# KiCad board fmc_usb_gpio_spi_jtag.kicad_pcb (continued)
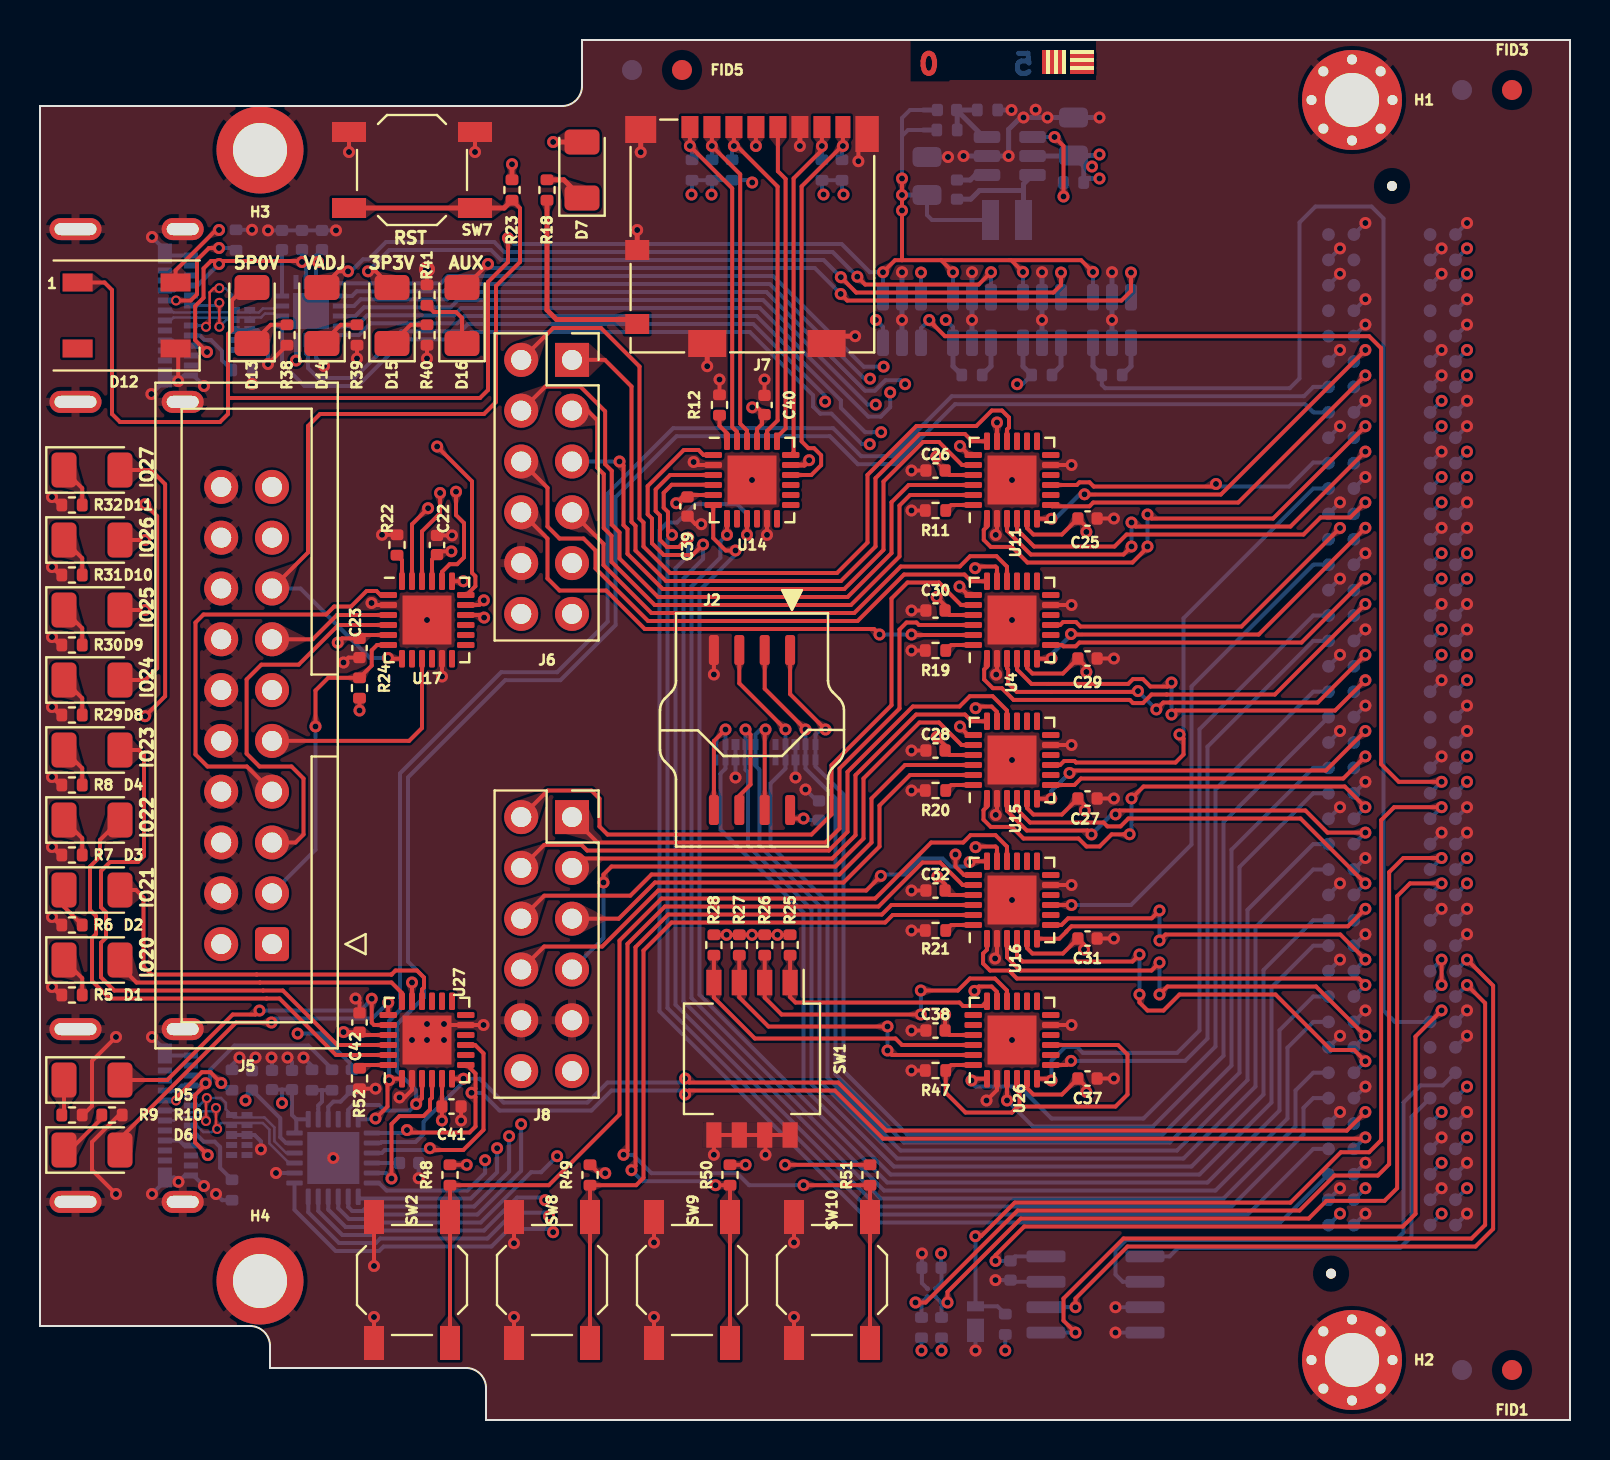
[diagram p0: board, top side]
## Routing (per net, layer and track width the routed paths; a pad name or vN(x,y) marks a point on that pad's centre or on a via; arc(x,y) is an arc through that point) (continued)
/FMC/SPI_FLASH.~{CS}: length 62.2
  Top w0.2: v1(39.28,34.53) 37.51,36.3 J2.1
  Bottom w0.2: v1(39.28,34.53) 39.03,34.53 38.78,34.28 U19.10 U19.1 38.78,32.68 40.18,31.28 40.18,17.46 43.36,14.28 56.13,14.28 59.58,17.72 59.58,28.52 63.66,32.61 64.43,32.61
/FMC/SPI_FLASH.~{HOLD}: length 61
  Top w0.2: J2.7 36.24,34.49 v1(36.28,34.53)
  Bottom w0.2: 64.43,27.53 63.66,27.53 60.78,24.64 60.78,16.68 57.18,13.08 42.86,13.08 38.98,16.96 38.98,25.71 35.97,28.71 35.97,32.53 35.78,32.72 U20.1 U20.10 35.78,34.28 36.03,34.53 v1(36.28,34.53)
/FMC/SPI_FLASH.~{WP}: length 61.7
  Top w0.2: v1(37.28,34.53) 34.97,36.84 J2.3
  Bottom w0.2: 64.43,28.8 63.66,28.8 60.38,25.51 60.38,17 56.85,13.48 43.03,13.48 39.38,17.13 39.38,25.88 36.53,28.73 36.53,31.82 37.28,32.57 U19.4 U19.7 v1(37.28,34.53)
/FMC/UART.RXD: length 89.2
  In3.Cu w0.2: v1(70.08,49.69) 69.55,49.16 62.9,49.16 58.58,44.84 58.58,18.04 55.42,14.88 46.86,14.88 46.66,15.09 25.59,15.09 24.69,14.19 v1(23.46,14.19)
  Bottom w0.2: v1(23.46,14.19) 23.46,12.42 21.71,10.68 16.35,10.68 16.13,10.45 15.61,10.45 15.41,10.65 U3.20 ; 69.51,49.12 v1(70.08,49.69)
/FMC/UART.TXD: length 90.8
  In3.Cu w0.2: v1(70.08,50.96) 69.34,50.22 63.28,50.22 58.18,45.11 58.18,18.51 54.95,15.28 47.03,15.28 46.82,15.49 25.42,15.49 24.72,14.79 v1(24.06,14.79)
  Bottom w0.2: U3.21 14.91,10.58 15.45,10.05 16.29,10.05 16.52,10.28 21.87,10.28 24.06,12.46 v1(24.06,14.79) ; 69.51,50.39 v1(70.08,50.96)
/FMC/UART.~{CTS}: length 85.1
  In3.Cu w0.2: v1(22.26,12.99) 24.62,12.99 25.92,14.29 46.14,14.29 46.35,14.08 56.31,14.08 59.38,17.15 59.38,44.21 60.36,45.19 69.39,45.19 v1(70.08,45.88)
  Bottom w0.2: U3.18 16.95,11.85 17.33,11.48 21.38,11.48 22.26,12.36 v1(22.26,12.99) ; 69.51,45.31 v1(70.08,45.88)
/FMC/UART.~{DCD}: length 84.6
  In3.Cu w0.2: v1(70.08,39.53) 69.45,38.9 61.37,38.9 60.58,38.11 60.58,16.08 57.37,12.88 46.35,12.88 44.21,10.74 26.01,10.74 v1(25.46,10.19)
  Bottom w0.2: U3.24 13.41,10.39 14.95,8.85 16.79,8.85 17.01,9.08 22.38,9.08 23.67,10.37 25.28,10.37 v1(25.46,10.19) ; 69.51,38.96 v1(70.08,39.53)
/FMC/UART.~{DSR}: length 86.4
  In3.Cu w0.2: v1(70.08,43.34) 69.39,42.65 60.43,42.65 59.77,42 59.77,16.8 56.66,13.68 46.16,13.68 45.96,13.89 26.55,13.89 v1(25.86,13.19)
  Bottom w0.2: U3.22 14.41,10.52 15.28,9.65 16.46,9.65 16.68,9.88 22.04,9.88 24.55,12.39 25.06,12.39 v1(25.86,13.19) ; 69.51,42.77 v1(70.08,43.34)
/FMC/UART.~{DTR}: length 86.2
  In3.Cu w0.2: v1(25.26,10.99) 25.41,11.14 44.01,11.14 46.16,13.28 57.02,13.28 60.17,16.43 60.17,40.81 60.76,41.4 69.41,41.4 v1(70.08,42.07)
  Bottom w0.2: 69.51,41.5 v1(70.08,42.07) ; U3.23 13.91,10.45 15.12,9.25 16.62,9.25 16.85,9.48 22.2,9.48 23.85,11.12 25.12,11.12 v1(25.26,10.99)
/FMC/UART.~{RI}: length 85.4
  In3.Cu w0.2: v1(70.08,38.26) 69.44,37.62 61.79,37.62 60.97,36.81 60.97,15.68 57.78,12.48 46.56,12.48 44.42,10.34 26.55,10.34 25.66,9.45 v1(25.66,9.39) 25.6,9.39 25.64,9.43
  Bottom w0.2: U3.1 12.73,10.51 14.78,8.45 16.95,8.45 17.18,8.68 22.58,8.68 23.45,9.55 25.54,9.55 25.66,9.44 ; 69.51,37.69 v1(70.08,38.26)
/FMC/UART.~{RTS}: length 86.6
  In3.Cu w0.2: v1(70.08,47.15) 69.52,46.59 61.06,46.59 58.98,44.51 58.98,17.56 55.9,14.48 46.7,14.48 46.49,14.69 25.75,14.69 24.66,13.59 v1(22.86,13.59)
  Bottom w0.2: v1(22.86,13.59) 22.86,12.39 21.54,11.08 16,11.08 U3.19 ; 69.51,46.58 v1(70.08,47.15)
/FMC/USB_FS.CON: length 70.7
  In2.Cu w0.2: v1(71.35,42.07) 70.73,42.69 68.37,42.69 67.86,43.2 67.86,49.59 67.13,50.32 64.33,50.32 61.86,52.79 45.74,52.79 42.34,49.39 v1(42.06,49.39)
  Bottom w0.2: v1(42.06,49.39) 41.26,49.39 40.04,50.6 40.04,50.98 35.82,55.2 21.23,55.2 20.86,54.84 16.53,54.84 15.94,54.25 14.3,54.25 U2.5 ; 70.78,41.5 v1(71.35,42.07)
/FMC/USB_FS.DET: length 67.6
  In2.Cu w0.2: v1(71.35,43.34) 70.7,43.99 68.86,43.99 68.26,44.59 68.26,50.29 66.96,51.59 63.63,51.59 62.03,53.19 42.7,53.19 v1(42.18,52.67)
  Bottom w0.2: v1(42.18,52.67) 41.18,52.67 36.65,57.2 20.4,57.2 20.04,56.84 14.36,56.84 U2.16 ; 70.78,42.77 v1(71.35,43.34)
/FMC/USB_FS.RCV: length 76.6
  In2.Cu w0.2: v1(71.35,36.99) 70.7,37.64 67.61,37.64 67.06,38.19 67.06,42.19 66.56,42.69 47.56,42.69 46.81,43.43 41.47,43.43 40.89,44.01 40.89,49.22 41.66,49.99 42.37,49.99 43.26,50.87 v1(43.26,51.79)
  Bottom w0.2: U2.2 15.7,55.7 16.04,56.04 20.37,56.04 20.73,56.4 36.32,56.4 41.25,51.47 41.75,51.47 42.27,51.99 43.06,51.99 v1(43.26,51.79) ; 70.78,36.42 v1(71.35,36.99)
/FMC/USB_FS.SPD: length 83.7
  In2.Cu w0.2: v1(71.35,28.1) 70.73,28.72 65.96,28.72 65.44,28.19 56.02,28.19 55.62,28.59 48.42,28.59 47.22,29.79 42.62,29.79 40.86,31.56 40.86,35.99 39.66,37.19 39.66,50.22 v1(41.5,52.07)
  Bottom w0.2: 70.78,27.53 v1(71.35,28.1) ; v1(41.5,52.07) 41.5,52.07 41.22,52.07 36.49,56.8 20.57,56.8 20.2,56.44 15.84,56.44 15.6,56.2 U2.1
/FMC/USB_FS.SUS: length 84
  In2.Cu w0.2: v1(71.35,26.83) 70.73,27.46 65.79,27.46 65.46,27.79 55.86,27.79 55.46,28.19 48.26,28.19 47.06,29.39 42.46,29.39 40.46,31.39 40.46,35.79 39.26,36.99 v1(39.26,50.92)
  Bottom w0.2: v1(39.26,50.92) 39.26,51.2 35.66,54.8 21.39,54.8 21.03,54.44 18.06,54.44 15.72,52.1 13.9,52.1 13.4,52.6 13.4,53.22 13.3,53.32 U2.7 ; 70.78,26.26 v1(71.35,26.83)
/FMC/USB_FS.VM: length 81.1
  In2.Cu w0.2: v1(71.35,31.91) 70.72,32.54 65.91,32.54 65.46,32.99 53.46,32.99 50.26,36.19 47.16,36.19 47.16,36.19 41.22,36.19 40.06,37.36 40.06,49.99 41.44,51.37 42.5,51.37 v1(42.51,51.38)
  Bottom w0.2: U2.4 15.83,54.7 16.37,55.24 20.7,55.24 21.06,55.6 35.99,55.6 41.42,50.17 42.04,50.17 42.51,50.64 v1(42.51,51.38) ; 70.78,31.34 v1(71.35,31.91)
/FMC/USB_FS.VP: length 76.9
  In2.Cu w0.2: v1(71.35,33.18) 70.74,33.79 65.86,33.79 65.46,33.39 53.62,33.39 50.42,36.59 47.33,36.59 47.33,36.59 41.45,36.59 40.46,37.59 40.46,49.44 v1(41.79,50.77)
  Bottom w0.2: 70.78,32.61 v1(71.35,33.18) ; U2.3 15.76,55.2 16.2,55.64 20.53,55.64 20.9,56 36.15,56 41.38,50.77 v1(41.79,50.77)
/FMC/USB_FS.~{OE}: length 78.8
  In2.Cu w0.2: v1(71.35,38.26) 70.72,38.89 67.96,38.89 67.46,39.39 67.46,48.39 66.79,49.06 64.39,49.06 61.06,52.39 45.9,52.39 42.3,48.79 v1(41.49,48.79)
  Bottom w0.2: U2.9 12.1,52.82 13.22,51.7 15.89,51.7 18.22,54.04 21.19,54.04 21.56,54.4 35.49,54.4 38.66,51.24 38.66,50.67 39.01,50.32 39.57,50.32 41.1,48.79 v1(41.49,48.79) ; 70.78,37.69 v1(71.35,38.26)
/FMC/WS2812: length 49.5
  Top w0.2: v1(70.08,31.91) 67.94,31.91 67.06,32.79 67.06,53.59 66.46,54.19 45.25,54.19 44.69,54.75 44.69,54.76 44.46,54.99 v1(44.46,55)
  Bottom w0.2: U21.4 44.05,54.59 v1(44.46,55) ; 69.51,31.34 v1(70.08,31.91)
/GPIO/HVGPIO0: length 35.2
  Top w0.2: U11.18 46.6,48.94 46.6,48.95 46.25,49.3 43.98,49.3 41.78,47.09 41.78,43.68 40.05,41.95 31.3,41.95 29.78,43.48 29.78,44.71 29.58,44.91 29.58,51.68 28.25,53.01 J6.1
/GPIO/HVGPIO1: length 42
  Top w0.2: J6.2 25.66,54.6 28.05,54.6 29.98,52.68 29.98,45.08 30.18,44.88 30.18,43.68 31.5,42.35 39.85,42.35 41.38,43.88 41.38,47.25 43.82,49.7 46.81,49.7 47.59,50.48 48.1,50.48 48.45,50.12 48.45,49.63 48.35,49.53 U11.16
/GPIO/HVGPIO2: length 31.6
  Top w0.2: U11.23 43.5,46.25 42.98,45.72 42.98,43.18 40.55,40.75 30.73,40.75 28.58,42.91 28.58,44.21 28.19,44.6 28.19,47.29 27.86,47.62 27.86,49.99 27.39,50.47 J6.3
/GPIO/HVGPIO3: length 35.2
  Top w0.2: J6.4 25.27,51.68 27.02,51.68 28.26,50.44 28.26,47.79 28.59,47.46 28.59,44.77 28.98,44.38 28.98,43.08 30.9,41.15 40.38,41.15 42.58,43.34 42.58,45.89 43.44,46.75 U11.22
/GPIO/HVGPIO4: length 30.7
  Top w0.2: U11.20 46.1,47.75 44.95,48.9 44.15,48.9 42.18,46.92 42.18,43.51 40.22,41.55 31.13,41.55 29.38,43.31 29.38,44.54 29.18,44.74 29.18,47.73 v1(28.98,47.93)
  Bottom w0.2: v1(28.98,47.93) J6.5
/GPIO/HVGPIO5: length 29.4
  Top w0.2: J6.6 25.38,46.61 25.38,44.68 25.98,44.08 27.18,44.08 27.78,43.48 27.78,42.58 30.4,39.95 40.88,39.95 43.2,42.28 46.22,42.28 46.56,41.94 U4.18
/GPIO/HVGPIO6: length 26.6
  Top w0.2: U4.16 48.35,42.67 47.82,43.19 46.51,43.19 45.99,42.68 43.04,42.68 40.71,40.35 30.57,40.35 28.18,42.74 28.18,43.81 J6.7
/GPIO/HVGPIO7: length 26.3
  Top w0.2: v1(41.98,39.28) 41.7,39.55 30.24,39.55 28.31,41.48 25.98,41.48 25.38,42.08 25.38,44.07 J6.8 ; v1(43.58,39.28) 43.6,39.25 U4.23
  Bottom w0.2: v1(43.58,39.28) v1(41.98,39.28)
/GPIO/HVGPIO8: length 29.3
  Top w0.2: J8.1 27.87,28.88 39.28,28.88 39.98,29.57 39.98,32.57 42.98,35.57 42.98,39.52 43.33,39.88 43.82,39.88 43.95,39.75 U4.22
/GPIO/HVGPIO9: length 35.2
  Top w0.2: J8.2 25.39,31.48 27.57,31.48 27.98,31.07 27.98,29.68 28.38,29.28 38.58,29.28 39.58,30.28 39.58,32.74 42.58,35.74 42.58,41.08 43.38,41.88 44.95,41.88 45.38,41.45 45.38,41.43 46.05,40.75 U4.20
/GPIO/HVGPIO10: length 25.8
  Top w0.2: J8.3 27.07,28.08 39.61,28.08 40.78,29.24 40.78,32.24 43.81,35.28 46.25,35.28 46.59,34.94 U15.18
/GPIO/HVGPIO11: length 30.7
  Top w0.2: J8.4 25.21,28.76 27.08,28.76 27.36,28.48 39.44,28.48 40.38,29.41 40.38,32.41 43.64,35.68 45.98,35.68 46.49,36.19 47.63,36.19 48.35,35.47 U15.16
/GPIO/HVGPIO12: length 24.2
  Top w0.2: J8.5 28.94,25.07 30.75,26.88 40.18,26.88 41.98,28.68 41.98,30.72 43.5,32.25 U15.23
/GPIO/HVGPIO13: length 27.1
  Top w0.2: J8.6 25.21,26.22 29.52,26.22 30.58,27.28 39.98,27.28 41.58,28.88 41.58,31.08 43.25,32.75 U15.22
/GPIO/HVGPIO14: length 29.3
  Top w0.2: U15.20 46.08,33.75 44.95,34.88 43.98,34.88 41.18,32.08 41.18,29.08 39.78,27.68 28.58,27.68 28.18,27.28 v1(28.18,26.88)
  Bottom w0.2: v1(28.18,26.88) 28.18,24.1 J8.7
/GPIO/HVGPIO15: length 25.9
  Top w0.2: v1(46.48,27.9) 46.52,27.94 U16.18 ; v1(42.04,27.21) 41.31,26.48 30.91,26.48 28.11,23.68 25.21,23.68 J8.8
  Bottom w0.2: v1(42.04,27.21) 42.11,27.28 43.24,27.28 44.04,28.08 45.13,28.08 45.53,27.68 46.26,27.68 v1(46.48,27.9)
/GPIO/HVGPIO16: length 49.1
  Top w0.2: SW2.2 SW2.2 R48.1 25.44,11.74 28.98,15.27 28.98,23.97 31.08,26.08 41.76,26.08 44.56,28.88 46.16,28.88 46.53,29.24 47.77,29.24 48.35,28.67 U16.16
/GPIO/HVGPIO17: length 39.3
  Top w0.2: SW8.2 SW8.2 R49.1 29.81,11.74 30.18,12.11 30.18,23.48 31.58,24.88 42.26,24.88 42.63,25.25 U16.23
/GPIO/HVGPIO18: length 42.2
  Top w0.2: R50.1 SW9.2 SW9.2 ; U16.22 42.57,25.75 42.09,25.28 31.41,25.28 29.78,23.64 29.78,12.69 v1(29.58,12.49) ; v1(33.78,11.74) 34.6,11.74
  Bottom w0.2: v1(29.58,12.49) 30.13,11.94 33.58,11.94 v1(33.78,11.74)
/GPIO/HVGPIO19: length 50.8
  Top w0.2: 41.35,11.74 v1(38.18,11.74) ; SW10.2 SW10.2 R51.1 ; v1(29.18,13.26) 29.38,13.46 29.38,23.81 31.24,25.68 41.93,25.68 44.13,27.88 45.01,27.88 46.13,26.75 U16.20
  Bottom w0.2: v1(38.18,11.74) 35.45,11.74 34.85,12.34 30.57,12.34 29.65,13.26 v1(29.18,13.26)
/GPIO/HVGPIO24: length 55.4
  Top w0.2: D8.2 5.27,37 5.86,37.59 5.86,45.19 v1(5.26,45.79) ; v1(46,48.7) 46.45,48.25 U11.19
  In3.Cu w0.2: v1(46,48.7) 45.6,49.1 43.54,49.1 42.63,48.19 39.41,48.19 38.41,49.19 23.46,49.19 22.26,47.99 5.86,47.99 5.26,47.39 v1(5.26,45.79)
/GPIO/HVGPIO25: length 46.3
  Top w0.2: U15.19 46.4,34.25 45.98,34.68 ; D9.2 v1(5.26,40.5)
  In3.Cu w0.2: v1(5.26,40.5) 5.26,38.79 6.3,37.74 12.9,37.74 13.86,36.79 18.86,36.79 19.71,35.93 44.74,35.93 v1(46,34.68)
/GPIO/HVGPIO26: length 44.6
  Top w0.2: U4.19 46.4,41.25 v1(45.98,41.68) ; D10.2 v1(5.26,44)
  In3.Cu w0.2: v1(5.26,44) 5.26,43.39 5.86,42.79 22.26,42.79 23.46,41.59 43.86,41.59 44.35,42.08 45.57,42.08 v1(45.98,41.68)
/GPIO/HVGPIO27: length 60.4
  Top w0.2: v1(5.26,35.19) 6.26,36.19 6.26,46.79 5.55,47.5 D11.2 ; v1(45.78,28.28) 45.78,27.68 46.2,27.25 U16.19
  In3.Cu w0.2: v1(45.78,28.28) 32.57,28.28 28.15,32.69 6.35,32.69 5.26,33.79 v1(5.26,35.19)
/GPIO/HVGPIO28: length 12.2
  Top w0.2: U26.18 47.11,20.7 46.15,20.7 45.98,20.88 37.78,20.88 37.51,21.15 SW1.1 R25.1
/GPIO/HVGPIO29: length 16.8
  Top w0.2: v1(44.04,20.27) 44.04,20.28 37.08,20.28 36.24,21.12 SW1.2 R26.1 ; v1(44.04,21.47) 45.89,21.47 46.49,22.07 47.75,22.07 48.35,21.47 U26.16
  Bottom w0.2: v1(44.04,21.47) v1(44.04,20.27)
/GPIO/HVGPIO30: length 15.7
  Top w0.2: R27.1 SW1.3 34.97,21.13 36.42,19.68 v1(42.38,19.68) ; U26.23 42.6,18.25 v1(42.38,18.48)
  Bottom w0.2: v1(42.38,18.48) v1(42.38,19.68)
/GPIO/HVGPIO31: length 16.1
  Top w0.2: U26.22 43.1,18.75 42.78,19.08 35.74,19.08 33.7,21.12 SW1.4 R28.1
/JTAG/TCK: length 11.2
  Top w0.2: U17.9 19.1,34.6 18.46,33.96 J5.9
/JTAG/TDI: length 19.8
  Top w0.2: J5.5 12.78,28.88 13.18,29.28 13.18,32.08 12.58,32.68 10.98,32.68 10.33,33.32 10.33,37.03 11.07,37.77 12.93,37.77 14.92,39.75 U17.4
/JTAG/TDO: length 6.3
  Top w0.2: J5.13 13.64,39.04 14.85,40.25 U17.3
/JTAG/TMS: length 21.6
  Top w0.2: U17.1 17.02,41.25 16.83,41.45 16.33,41.45 15.55,40.67 14.71,40.67 14.31,40.28 8.18,40.28 7.78,39.88 7.78,33.28 8.38,32.68 10.34,32.68 11.6,31.42 J5.7
/JTAG/~{SRST}: length 45.8
  Top w0.2: U17.7 17.44,38.06 v1(17.4,38.1) ; J5.15 13.4,43.38 13.4,49.7 14,50.3 22.2,50.3 22.8,50.9 22.8,56.7 24,57.9 24,60.59 R23.2
  Top w0.25: R23.2 23.21,60.6 SW7.2 SW7.2
  Bottom w0.2: v1(17.4,38.1) 16.5,38.1 13.03,41.58 J5.15
/JTAG/~{TRST}: length 16.1
  Top w0.2: U17.6 16.85,38.75 16.59,38.48 16.59,37.72 R24.2 14.41,37.11 13.78,36.48 v1(13.78,34.68)
  Bottom w0.2: v1(13.78,34.68) 13.78,28.51 J5.3
/SDIO/SD_CLK: length 16.1
  Top w0.2: U14.19 36.85,49.15 37.28,49.58 37.28,62.05 36.9,62.44 J7.5
/SDIO/SD_CMD: length 17.7
  Top w0.2: U14.20 36.35,49.45 36.88,49.98 36.88,61.67 34.85,63.7 v1(34.7,63.7) J7.3
  Bottom w0.2: v1(34.7,63.7) 34.6,63.61 R17.1
/SDIO/SD_DAT0: length 17.7
  Top w0.2: J7.7 v1(39.1,63.7) 39.1,63.5 37.68,62.08 37.68,48.39 U14.18
  Bottom w0.2: v1(39.1,63.7) 39.1,63.7 R13.1
/SDIO/SD_DAT1: length 20.7
  Top w0.2: J7.8 v1(40.15,63.7) ; U14.16 38.56,47.25 39.06,47.74 39.06,48.24 38.7,48.59 38.42,48.59 38.08,48.93 38.08,61.68 40.1,63.7
  Bottom w0.2: R14.1 40.1,63.66 v1(40.15,63.7)
/SDIO/SD_DAT2: length 17.4
  Top w0.2: U14.23 34.85,49.41 34.61,49.65 34.61,61.59 v1(32.5,63.7) J7.1
  Bottom w0.2: v1(32.5,63.7) 32.6,63.6 R15.1
/SDIO/SD_DAT3: length 17.1
  Top w0.2: U14.22 35.35,49.47 35.01,49.81 35.01,62.29 v1(33.6,63.7) J7.2
  Bottom w0.2: v1(33.6,63.7) 33.6,63.7 R16.1
/UART/D+: length 10.5
  Top w0.127: v3(8.86,14.55) 8.8,14.61 v3(8.8,15.6)
  Bottom w0.127: v3(8.8,15.6) 8.63,15.43 8.1,15.43 8.05,15.38 6.86,15.38 6.77,15.48 J4.B6 ; J4.A6 7.84,14.73 8.17,14.4 8.6,14.4 9.05,14.85 11.14,14.85 11.47,14.52 11.47,13.83 12.45,12.85 U3.3
/UART/D-: length 10.3
  Top w0.127: v3(8.34,16.1) 8.3,16.06 v3(8.3,14.95)
  Bottom w0.127: v3(8.3,14.95) 8.12,15.13 6.86,15.13 6.71,14.98 J4.B7 ; U12.5 9.29,15.54 9.29,15.86 9.05,16.1 8.34,16.1 v3(8.34,16.1) 7.97,15.73 J4.A7 ; 9.67,15.13 11.22,15.13 11.72,14.63 11.72,13.94 12.31,13.35 U3.4
/UART/HVGPIO20: length 15.4
  Top w0.2: U27.18 18.1,21.35 17.57,21.88 11,21.88 10.99,21.87 4.83,21.87 4,22.7 D1.2
/UART/HVGPIO21: length 20.4
  Top w0.2: U27.16 19.1,21.53 19.2,21.63 19.2,22.12 18.85,22.48 17.78,22.48 17.58,22.28 17.57,22.28 10.83,22.28 10.83,22.27 5.58,22.27 5.18,22.67 5.18,26.13 4.8,26.5 D2.2
/UART/HVGPIO22: length 25.2
  Top w0.2: D3.2 3,29 3,28.17 2.5,27.67 2.5,25.5 2.8,25.2 2.8,24.3 2.6,24.1 2.6,21.95 3.48,21.07 11.33,21.07 11.33,21.08 11.98,21.08 14.8,18.25 U27.23
/UART/HVGPIO23: length 30.1
  Top w0.2: U27.22 14.87,18.75 12.14,21.48 11.16,21.48 11.16,21.47 3.71,21.47 3.05,22.14 3.05,23.86 3.3,24.11 3.3,25.39 3.05,25.64 3.05,27.45 3.5,27.9 4.9,27.9 5.2,28.2 5.2,33.25 4.95,33.5 D4.2
/UART/SUSP: length 7.6
  Top w0.2: U27.4 19.6,16.11 19.5,16.01 19.5,15.52 19.18,15.2 17.97,15.2 17.58,14.8 v1(17.58,12.08)
  Bottom w0.2: v1(17.58,12.08) 17.3,12.35 U3.17
/UART/~{SUSP}: length 11
  Top w0.2: U27.9 21.76,18.75 22.18,18.33 22.18,14.51 21.17,13.5 19.58,13.5 v1(19.5,13.59)
  Bottom w0.2: v1(19.5,13.59) 19.4,13.5 17.24,13.5 17.09,13.35 U3.15
/USB/D+: length 10.8
  Top w0.127: v3(8.97,56.59) 8.69,56.59 8.48,56.38 8.48,54.84 v3(8.3,54.66)
  Bottom w0.127: J3.B6 6.58,55.48 6.67,55.38 10.95,55.38 11.14,55.57 11.73,55.57 11.85,55.7 U2.11 ; J3.A6 8.24,54.73 v3(8.3,54.66) ; U18.5 9.6,55.62 9.6,56.25 9.26,56.59 v3(8.97,56.59)
/USB/D-: length 9.6
  Top w0.127: v3(8.97,54.66) v3(8.97,55.86)
  Bottom w0.127: U18.4 9.31,55 v3(8.97,54.66) ; 8.95,55.86 8.82,55.73 J3.A7 ; J3.B7 6.53,54.98 6.67,55.12 11.05,55.12 11.25,55.32 11.7,55.32 11.82,55.2 U2.10
/USB/USB_VBUS: length 16.9
  Top w0.2: v1(8.35,53.4) 7.76,53.99 7.76,55.69 8.18,56.11 8.18,57.58 8.55,57.95 13.05,57.95
  Bottom w0.2: v1(8.35,53.4) 8.2,53.4 7.93,53.67 7.6,53.67 J3.A4 6.88,53.73 6.63,53.98 J3.B9 ; U2.14 13.3,57.69 13.1,57.89 v1(13.1,57.9) C4.1 ; J3.B4 6.7,56.48 6.95,56.73 J3.A9 7.88,56.73 v1(8.95,57.8)
VADJ: length 317.6
  Top w0.2: v1(38.18,30.08) 37.51,30.08 J2.8 ; U27.5 20.1,15.68 C41.1 v1(20.1,14.98) ; U4.5 49.35,37.59 49.62,37.33 51.15,37.33 C29.1 52.32,37.65 v1(52.32,37.4) ; v1(52.2,23.52) 52.2,23.77 C31.1 51.15,23.33 49.62,23.33 49.35,23.59 U16.5 ; U11.5 49.35,44.59 49.67,44.28 51.1,44.28 C25.1 52.32,44.65 v1(52.32,44.4) ; v1(52.24,30.47) 52.24,30.73 C27.1 51.1,30.28 49.67,30.28 49.35,30.59 U15.5 ; v1(31.81,45.84) 32.13,46.16 C39.1 ; U17.17 21.96,40.75 v1(22.19,40.98) ; U14.5 32.27,46.25 ; U17.21 19.6,43.02 C22.1 20.01,43.43 v1(20.57,43.43) ; v1(52.32,16.4) 52.32,16.65 C37.1 51.1,16.28 49.67,16.28 49.35,16.59 U26.5
  In4.Cu w0.2: 12.8,49.27 7.54,49.27 6.78,48.51 6.78,21.27 7.46,20.59 8.86,20.59 9.38,20.07 9.38,18.47 ; 12.8,49.27 20.97,49.27 21.46,48.79 21.46,43.59 21.3,43.43 v1(20.57,43.43) ; 12.8,49.27 v1(12.8,52.97) 13.9,54.08 13.9,55.07 ; v1(38.18,30.08) 38.17,30.08 31.57,30.08 31,30.65 31,45.78 31.06,45.84 ; 48.18,4.27 48.54,4.27 49.06,4.79 49.06,8.56 ; 48.18,4.27 48.26,4.19 v1(48.26,3.48) ; 48.18,4.27 20.77,4.27 20.1,4.95 v1(20.1,14.98) 19.97,15.1 17.95,15.1 17.37,15.68 16.14,15.68 15.72,15.25 11,15.25 v1(10.28,15.98) 10.28,16.57 9.38,17.47 9.38,18.47 ; 9.38,18.47 9.38,19.28 12.83,19.28 v1(12.88,19.32) ; 13.9,55.07 13.97,55 42.25,55 43.13,55.87 44.6,55.87 45.29,55.19 v1(45.29,55) 45.29,55.3 45.86,55.87 50.38,55.87 52.83,53.42 52.83,44.91 v1(52.32,44.4) 52.32,37.4 v1(52.32,37.4) 52.24,37.33 v1(52.24,30.47) 51.98,30.21 51.98,29.03 52.2,28.8 v1(52.2,23.52) 52.32,23.41 v1(52.32,16.4) ; 13.9,55.07 v1(13.9,57.9) ; v1(45.06,8.33) 45.28,8.56 63.24,8.56 v1(65,10.32) v1(66.27,11.59) 66.26,11.59 ; v1(20.57,43.43) 20.57,41.08 20.66,40.98 v1(22.19,40.98) ; v1(20.57,43.43) 22.7,43.43 23.36,44.09 28.76,44.09 30.5,45.84 31.06,45.84 ; 31.06,45.84 v1(31.81,45.84) ; 44.08,4.27 v1(44.08,3.48) ; v1(45.08,3.48) 45.08,4.27
  Bottom w0.2: v1(38.18,30.08) 38.26,30 C5.1 ; R53.2 v1(48.26,3.48) ; 65.7,11.02 v1(66.27,11.59) ; U22.6 45.65,54.64 v1(45.29,55) ; U21.6 42.15,54.65 v1(41.8,55) ; U2.15 13.8,57.8 v1(13.9,57.9) 13.8,58 13.8,58.22 C2.1 ; U25.B1 45.08,6.87 45.08,7.6 C36.1 v1(45.06,8.33) ; v1(10.28,15.98) 10.28,16.18 C7.1 12.01,15.09 12.01,14.14 12.3,13.85 U3.5 ; R43.1 v1(45.08,3.48) ; R42.1 v1(44.08,3.48) ; R35.2 15.6,17.74 14.02,19.32 v1(12.88,19.32) ; v1(12.8,52.97) U2.8 ; 64.43,9.75 v1(65,10.32)
  Bottom w0.25: U22.6 45.65,52.69 R45.1
Net-(D1-K): length 2.1
  Top w0.2: D1.1 2.11,22.09 R5.1
Net-(D2-K): length 2.1
  Top w0.2: R6.1 1.2,25.66 D2.1
Net-(D3-K): length 2.1
  Top w0.2: D3.1 2.11,29.09 R7.1
Net-(D4-K): length 2.1
  Top w0.2: R8.1 2.11,32.59 D4.1
Net-(D5-A): length 16.4
  Top w0.2: v1(16.59,21.07) 16.59,19.87 16.7,19.75 U27.20 ; D5.2 6.36,17 9.64,20.28 10.78,20.28 v1(10.98,20.47)
  Bottom w0.2: v1(16.59,21.07) 16.59,21.04 16.02,20.48 10.98,20.48 v1(10.98,20.47)
Net-(D5-K): length 1.8
  Top w0.2: D5.1 1.2,15.36 R9.1
Net-(D6-A): length 17.4
  Top w0.2: D6.2 4,14.07 9.8,19.88 v1(11.58,19.88) ; U27.19 17.41,20.84
  Bottom w0.2: v1(17.41,20.88) 16.61,20.08 11.78,20.08 11.58,19.87 v1(11.58,19.88)
Net-(D6-K): length 2.7
  Top w0.2: R10.1 3.09,15.09 1.5,13.5 D6.1
Net-(D7-K): length 2.1
  Top w0.25: R18.2 26.19,62.01 D7.1
Net-(D8-K): length 2.1
  Top w0.2: D8.1 2.11,36.09 R29.1
Net-(D9-K): length 2.1
  Top w0.2: D9.1 2.11,39.59 R30.1
Net-(D10-K): length 2.1
  Top w0.2: R31.1 2.11,43.09 D10.1
Net-(D11-K): length 2.1
  Top w0.2: D11.1 2.11,46.59 R32.1
Net-(D12-DIN): length 40.9
  Top w0.2: 9,59.5 8.8,59.5 6.78,57.48 D12.4
  In2.Cu w0.2: v1(44.05,57.37) 43.23,58.19 23.26,58.19 22.66,58.79 10.46,58.79 9.75,59.5 v1(8.95,59.5)
  Bottom w0.2: U21.3 v1(44.05,57.37)
Net-(D13-K): length 2.1
  Top w0.2: R38.1 11.54,54.76 D13.1
Net-(D14-A): length 36.8
  Top w0.2: v1(15.4,57.43) 14.91,57.43 D14.2 ; v1(47.55,57.39) 46.93,56.77 41.26,56.77 v1(40.87,57.17)
  Bottom w0.2: v1(15.4,57.43) 15.55,57.43 16.15,58.03 16.43,58.03 17.3,58.9 22.71,58.9 23.21,58.4 39.63,58.4 v1(40.87,57.17) ; U22.3 v1(47.55,57.39)
Net-(D14-K): length 2.1
  Top w0.2: R39.1 15.04,54.76 D14.1
Net-(D15-A): length 39.5
  Top w0.2: v1(51.05,57.37) 51.05,56.75 50.67,56.37 40.81,56.37 v1(40.04,57.14) ; D15.2 16.79,57.43 v1(16.4,57.43)
  Bottom w0.2: v1(16.4,57.43) 17.47,58.5 22.55,58.5 23.05,58 39.18,58 v1(40.04,57.14) ; U23.3 v1(51.05,57.37)
Net-(D15-K): length 2.1
  Top w0.2: R40.1 18.54,54.76 D15.1
Net-(D16-A): length 37
  Top w0.2: v1(40.03,56.3) 40.36,55.97 54.07,55.97 54.55,56.45 v1(54.55,57.37) ; v1(22.4,57.8) 21.23,56.63 D16.2
  Bottom w0.2: v1(40.03,56.3) 38.74,57.6 22.6,57.6 v1(22.4,57.8) ; U24.3 v1(54.55,57.37)
Net-(D16-K): length 3.3
  Top w0.2: D16.1 21.1,55.1 20.8,55.4 19.69,55.4 R41.1
Net-(J1B-d30): length 2.9
  Top w0.2: v1(70.08,21.75) v1(70.08,23.02)
  Bottom w0.2: 69.51,22.45 v1(70.08,23.02) ; 69.51,21.18 v1(70.08,21.75)
Net-(J3-CC1): length 3
  Bottom w0.2: J3.A5 8,54.23 8.22,54 8.55,54 9.1,53.45 9.1,52.99 R1.2
Net-(J3-CC2): length 5.1
  Top w0.2: v3(6.8,55.98) 7.53,55.98 7.85,56.29 7.85,58 8.45,58.6 v1(8.95,58.6)
  Bottom w0.2: R2.2 9.69,58.6 v1(8.95,58.6)
Net-(J4-CC1): length 3.6
  Bottom w0.2: R3.2 9.01,12.61 9.01,13.65 8.73,13.92 8.18,13.92 7.87,14.23 J4.A5
Net-(J4-CC2): length 3.8
  Top w0.2: v3(6.8,15.98) 6.8,16.1 8.09,17.39 8.52,17.39 v1(9.06,16.85)
  Bottom w0.2: v1(9.06,16.85) 9.42,16.49 R4.2
Net-(J4-VBUS-PadA4): length 16.6
  Top w0.2: v1(8.39,13.25) 7.75,13.88 7.75,16.24 8.28,16.77
  Bottom w0.2: v1(8.39,13.25) 7.91,13.73 J4.A4 7.22,13.73 6.97,13.98 J4.B9 ; R36.2 14.6,17.55 13.42,18.72 9.72,18.72 8.5,17.5 8.5,16.95 8.28,16.73 J4.A9 7.09,16.73 6.84,16.48 J4.B4
  vias: v1(8.28,16.84)
Net-(J7-DET_A): length 10.3
  Top w0.25: J7.10 29.64,55.03 25.82,55.03 25.35,55.5 R18.1
Net-(U2-VTRM): length 2.3
  Bottom w0.2: U2.12 C3.1
Net-(U3-VBUS): length 2.5
  Bottom w0.2: 14.1,16.49 14.1,15.92 13.91,15.73 U3.8 ; 14.1,16.49 R37.2 ; 14.1,16.49 R36.1
Net-(U3-VPP): length 1.4
  Bottom w0.2: U3.16 C9.1
Net-(U3-~{RST}): length 2.2
  Bottom w0.2: R35.1 15.03,15.92 14.67,15.92 14.41,15.66 U3.9
Net-(U4-SEL): length 1.5
  Top w0.2: R19.2 45.56,38.75 U4.24
Net-(U11-SEL): length 1.5
  Top w0.2: U11.24 45.56,45.75 R11.2
Net-(U13-BST): length 1.6
  Bottom w0.25: U13.1 47.33,62.28 46.79,62.28 46.52,62 C33.2
Net-(U13-EN): length 5
  Top w0.2: v1(50.73,64.15) 51.18,63.7 v1(51.18,61.18)
  Bottom w0.2: U13.4 v1(50.73,64.15) ; v1(51.18,61.18) 51.18,61.87 R54.2
Net-(U13-FB): length 4.1
  Bottom w0.25: U13.3 47.18,64.15 C34.1 ; C34.1 R34.2 ; C34.1 45.86,65.47 R33.1
Net-(U13-SW): length 5.9
  Bottom w0.25: C33.1 46.54,61.04 46.98,61.48 49.18,61.48 ; 49.18,61.48 L1.1 ; 49.18,61.48 49.18,61.8 U13.6
Net-(U14-SEL): length 1.5
  Top w0.2: U14.24 34.35,49.34 33.98,49.72 R12.2
Net-(U15-SEL): length 1.5
  Top w0.2: R20.2 45.56,31.75 U15.24
Net-(U16-SEL): length 1.5
  Top w0.2: R21.2 45.56,24.75 U16.24
Net-(U17-SEL): length 1.4
  Top w0.2: U17.24 18.1,42.99 R22.2
Net-(U22-B): length 1.8
  Bottom w0.25: R45.2 47.55,52.69 U22.4
Net-(U23-B): length 1.8
  Bottom w0.25: R44.2 51.05,52.7 U23.4
Net-(U24-B): length 1.8
  Bottom w0.25: R46.2 54.55,52.69 U24.4
Net-(U26-CLKA): length 20.4
  Top w0.2: U26.4 48.85,16.46 48.98,16.34 48.98,15.75 48.6,15.38 ; U26.9 53.9,18.75 54.38,18.28 54.38,16.28 53.77,15.67 48.9,15.67 48.6,15.38 ; 48.6,15.38 46.28,15.38 45.29,16.37 R47.2 45.56,17.75 U26.24
Net-(U27-SEL): length 1.5
  Top w0.2: R52.2 16.14,17.75 U27.24

## Copper pours and planes (outline as drawn; the poured copper is in the pictures)
GND on Top: 76.5,0 22.31,0 22.31,1.55 22.29,1.78 22.2,2.04 22.08,2.23 21.93,2.38 21.74,2.5 21.48,2.59 21.3,2.6 11.51,2.6 11.51,3.71 11.45,4.03 11.3,4.31 11.07,4.53 10.71,4.69 10.42,4.71 0,4.71 0,65.69 26.13,65.7 26.36,65.73 26.66,65.87 26.88,66.07 26.99,66.24 27.08,66.48 27.1,66.73 27.1,68.99 76.5,69
GND on Top: 33.16,14.89 38.06,14.89 38.04,13.61 33.14,13.61
GND on Bottom: 11.25,9.42 11.25,4.59 -0.18,4.59 -0.18,9.42
GND on Bottom: 11.25,65.8 11.25,60.98 -0.18,60.98 -0.18,65.8
GND on Bottom: 53.43,64.63 51.08,64.63 50.98,64.68 48.73,64.68 48.73,62.88 48.58,62.73 43.78,62.73 43.78,63.68 48.23,63.68 48.23,64.98 47.63,64.98 47.63,65.83 53.43,65.83
GND on Bottom: 76.5,0 22.31,0 22.31,1.55 22.29,1.78 22.2,2.04 22.08,2.23 21.93,2.38 21.74,2.5 21.48,2.59 21.3,2.6 11.51,2.6 11.51,3.71 11.45,4.03 11.3,4.31 11.07,4.53 10.71,4.69 10.42,4.71 0,4.71 0,65.69 26.13,65.7 26.36,65.73 26.66,65.87 26.88,66.07 26.99,66.24 27.08,66.48 27.1,66.73 27.1,68.99 42.4,68.99 42.4,58.6 53.6,58.6 53.6,69 76.5,69
GND on In1.Cu: 76.5,0 22.31,0 22.31,1.55 22.29,1.78 22.2,2.04 22.08,2.23 21.93,2.38 21.74,2.5 21.48,2.59 21.3,2.6 11.51,2.6 11.51,3.71 11.45,4.03 11.3,4.31 11.07,4.53 10.71,4.69 10.42,4.71 0,4.71 0,65.69 26.13,65.7 26.36,65.73 26.66,65.87 26.88,66.07 26.99,66.24 27.08,66.48 27.1,66.73 27.1,68.99 76.5,69
3P3V on In3.Cu: 76.49,0 22.3,0 22.3,1.55 22.28,1.78 22.19,2.04 22.07,2.23 21.92,2.38 21.73,2.5 21.47,2.59 21.29,2.6 11.5,2.6 11.5,3.71 11.44,4.03 11.29,4.31 11.06,4.53 10.7,4.69 10.41,4.71 -0.01,4.71 -0.01,65.69 26.12,65.7 26.35,65.73 26.65,65.87 26.87,66.07 26.98,66.24 27.07,66.48 27.09,66.73 27.09,68.99 76.49,69
3P3V on In4.Cu: 67.26,5.99 67.26,11.94 64.96,11.94 64.41,11.44 20.36,11.44 20.36,16.04 15.76,16.04 15.26,15.54 11.26,15.54 11.26,18.34 14.26,18.34 14.26,21.04 10.26,21.04 10.26,25.04 14.26,25.04 14.26,40.04 21.76,40.04 23.26,41.54 30.16,41.54 30.16,29.04 39.26,29.04 39.26,31.94 34.26,31.94 34.26,53.04 34.66,53.44 45.96,53.44 47.96,55.44 50.26,55.44 50.26,16.04 51.26,15.04 55.26,15.04 56.26,16.04 56.21,57.79 55.01,58.99 22.26,58.94 22.26,59.04 21.26,60.04 21.26,64.99 42.26,64.99 43.26,63.89 43.26,62.99 52.26,62.99 52.26,60.99 71.26,60.99 72.26,59.99 72.26,20.99 71.26,19.99 70.26,19.99 70.26,16.49 70.76,15.99 70.76,14.79 70.26,14.29 70.26,13.39 71.86,13.39 72.26,12.89 72.26,6.99 71.26,5.99
5P0V on Bottom: 45.2,63.98 43.78,63.98 43.38,63.58 43.38,62.08 43.78,61.73 45.08,61.73 45.08,60.88 45.38,60.53 47.13,60.53 47.13,60.98 47.98,60.98 47.98,59.03 44,59.03 42.58,60.35 42.58,65.83 45.2,65.83
12P0V on Bottom: 53.38,61.58 51.73,61.58 51.73,62.38 51.33,62.73 51.21,62.79 48.93,62.78 48.93,63.68 53.38,63.68
12P0V on In4.Cu: 70.86,14.29 71.36,14.79 71.76,14.79 72.06,15.09 72.06,15.69 71.76,15.99 71.26,15.99 70.76,16.49 70.76,16.99 71.16,17.39 71.86,17.39 73.26,18.79 73.26,60.99 72.26,61.99 52.76,61.99 52.76,63.59 53.16,63.99 62.26,63.99 63.26,62.99 64.36,62.99 64.76,62.69 66.56,62.69 66.96,63.09 68.06,63.09 68.86,63.99 72.26,63.99 74.26,61.99 74.26,14.99 72.96,13.69 70.86,13.69
VADJ on In2.Cu: 76.49,0 22.3,0 22.3,1.55 22.28,1.78 22.19,2.04 22.07,2.23 21.92,2.38 21.73,2.5 21.47,2.59 21.29,2.6 11.5,2.6 11.5,3.71 11.44,4.03 11.29,4.31 11.06,4.53 10.7,4.69 10.41,4.71 -0.01,4.71 -0.01,65.69 26.12,65.7 26.35,65.73 26.65,65.87 26.87,66.07 26.98,66.24 27.07,66.48 27.09,66.73 27.09,68.99 76.49,69
VADJ on In4.Cu: 64.96,11.94 67.26,11.94 67.26,5.99 62.26,5.99 62.26,0.99 23.26,0.99 23.26,3.04 22.26,3.99 14.26,3.99 14.26,9.99 1.26,9.99 1.26,60.99 2.26,61.99 7.26,61.99 7.26,60.04 21.26,60.04 22.26,59.04 22.26,58.94 55.01,58.99 56.21,57.79 56.26,16.04 55.26,15.04 51.26,15.04 50.26,16.04 50.26,55.44 47.96,55.44 45.96,53.44 34.66,53.44 34.26,53.04 34.26,31.94 39.26,31.94 39.26,29.04 30.16,29.04 30.16,41.54 23.26,41.54 21.76,40.04 14.26,40.04 14.26,25.04 10.26,25.04 10.26,21.04 14.26,21.04 14.26,18.34 11.26,18.34 11.26,15.54 15.26,15.54 15.76,16.04 20.36,16.04 20.36,11.44 64.41,11.44
Net-(U13-BST) on Bottom: 45.58,62.18 46.48,62.18 46.83,62.48 48.03,62.48 48.03,61.98 46.73,61.98 46.53,61.78 45.58,61.78
Net-(U13-FB) on Bottom: 45.58,64.18 45.58,65.83 47.13,65.83 47.13,64.78 47.38,64.48 47.98,64.48 47.98,63.88 46.78,63.88 46.48,64.18
Net-(U13-SW) on Bottom: 45.53,61.38 46.43,61.38 46.88,61.73 48.88,61.73 48.88,61.23 47.08,61.28 46.58,60.78 45.53,60.78
Net-(U13-SW) on Bottom: 48.83,62.53 50.28,62.53 50.28,59.03 48.83,59.03

Small or netless copper shapes (teardrops, artwork), in the pictures only: 494 on Top, 481 on Bottom, 30 on In2.Cu, 24 on In3.Cu, 1 on In4.Cu

## Text on the board
Bottom: 5
B.Silkscreen: FMC_BASIC_PERI / Rev: ${REVISION} / 6buE6ZSQ / ${ISSUE_DATE}
Top: 0
F.Fab: F.Silkscreen | F.Paste | F.Mask | F.Cu | Dielectric 1 | In1.Cu | Dielectric 2 | In2.Cu | Dielectric 3 | In3.Cu | Dielectric 4 | In4.Cu | Dielectric 5 | B.Cu | B.Mask | B.Paste | B.Silkscreen | Top Silk Screen | Top Solder Paste | Top Solder Mask | copper | prepreg | core | Bottom Solder Mask | Bottom Solder Paste | Bottom Silk Screen | Not specified | 2313 | FR4 | 2116 | 0 mm | 0.01 mm | 0.035 mm | 0.1 mm | 0.0175 mm | 0.565 mm | 0.127 mm | White | Black | 1 | 3.3 | 4.05 | 4.6 | 4.25 | 0 | 0.02 | Layer Name | Type | Material | Thickness (mm) | Color | Epsilon R | Loss Tangent
F.Silkscreen: 5P0V | VADJ | 3P3V | RST | AUX | IO27 | IO26 | IO25 | IO24 | IO23 | IO22 | IO21 | IO20
In1.Cu: 1
In2.Cu: 2
In3.Cu: 3
In4.Cu: 4
